# Altium PCB PROC010B_ASCII.PcbDoc (part 5 of 6)
Units mil, origin at the board's own origin, x right, y up, seen from the top; angles counter-clockwise.
Board outline 3180 x 2565 mil, 6 copper layers (TOP, L2, L3, L4, L5, BOTTOM), stack 55.54 mil thick; 362 components, 264 nets, 1248 pads, 1144 vias.
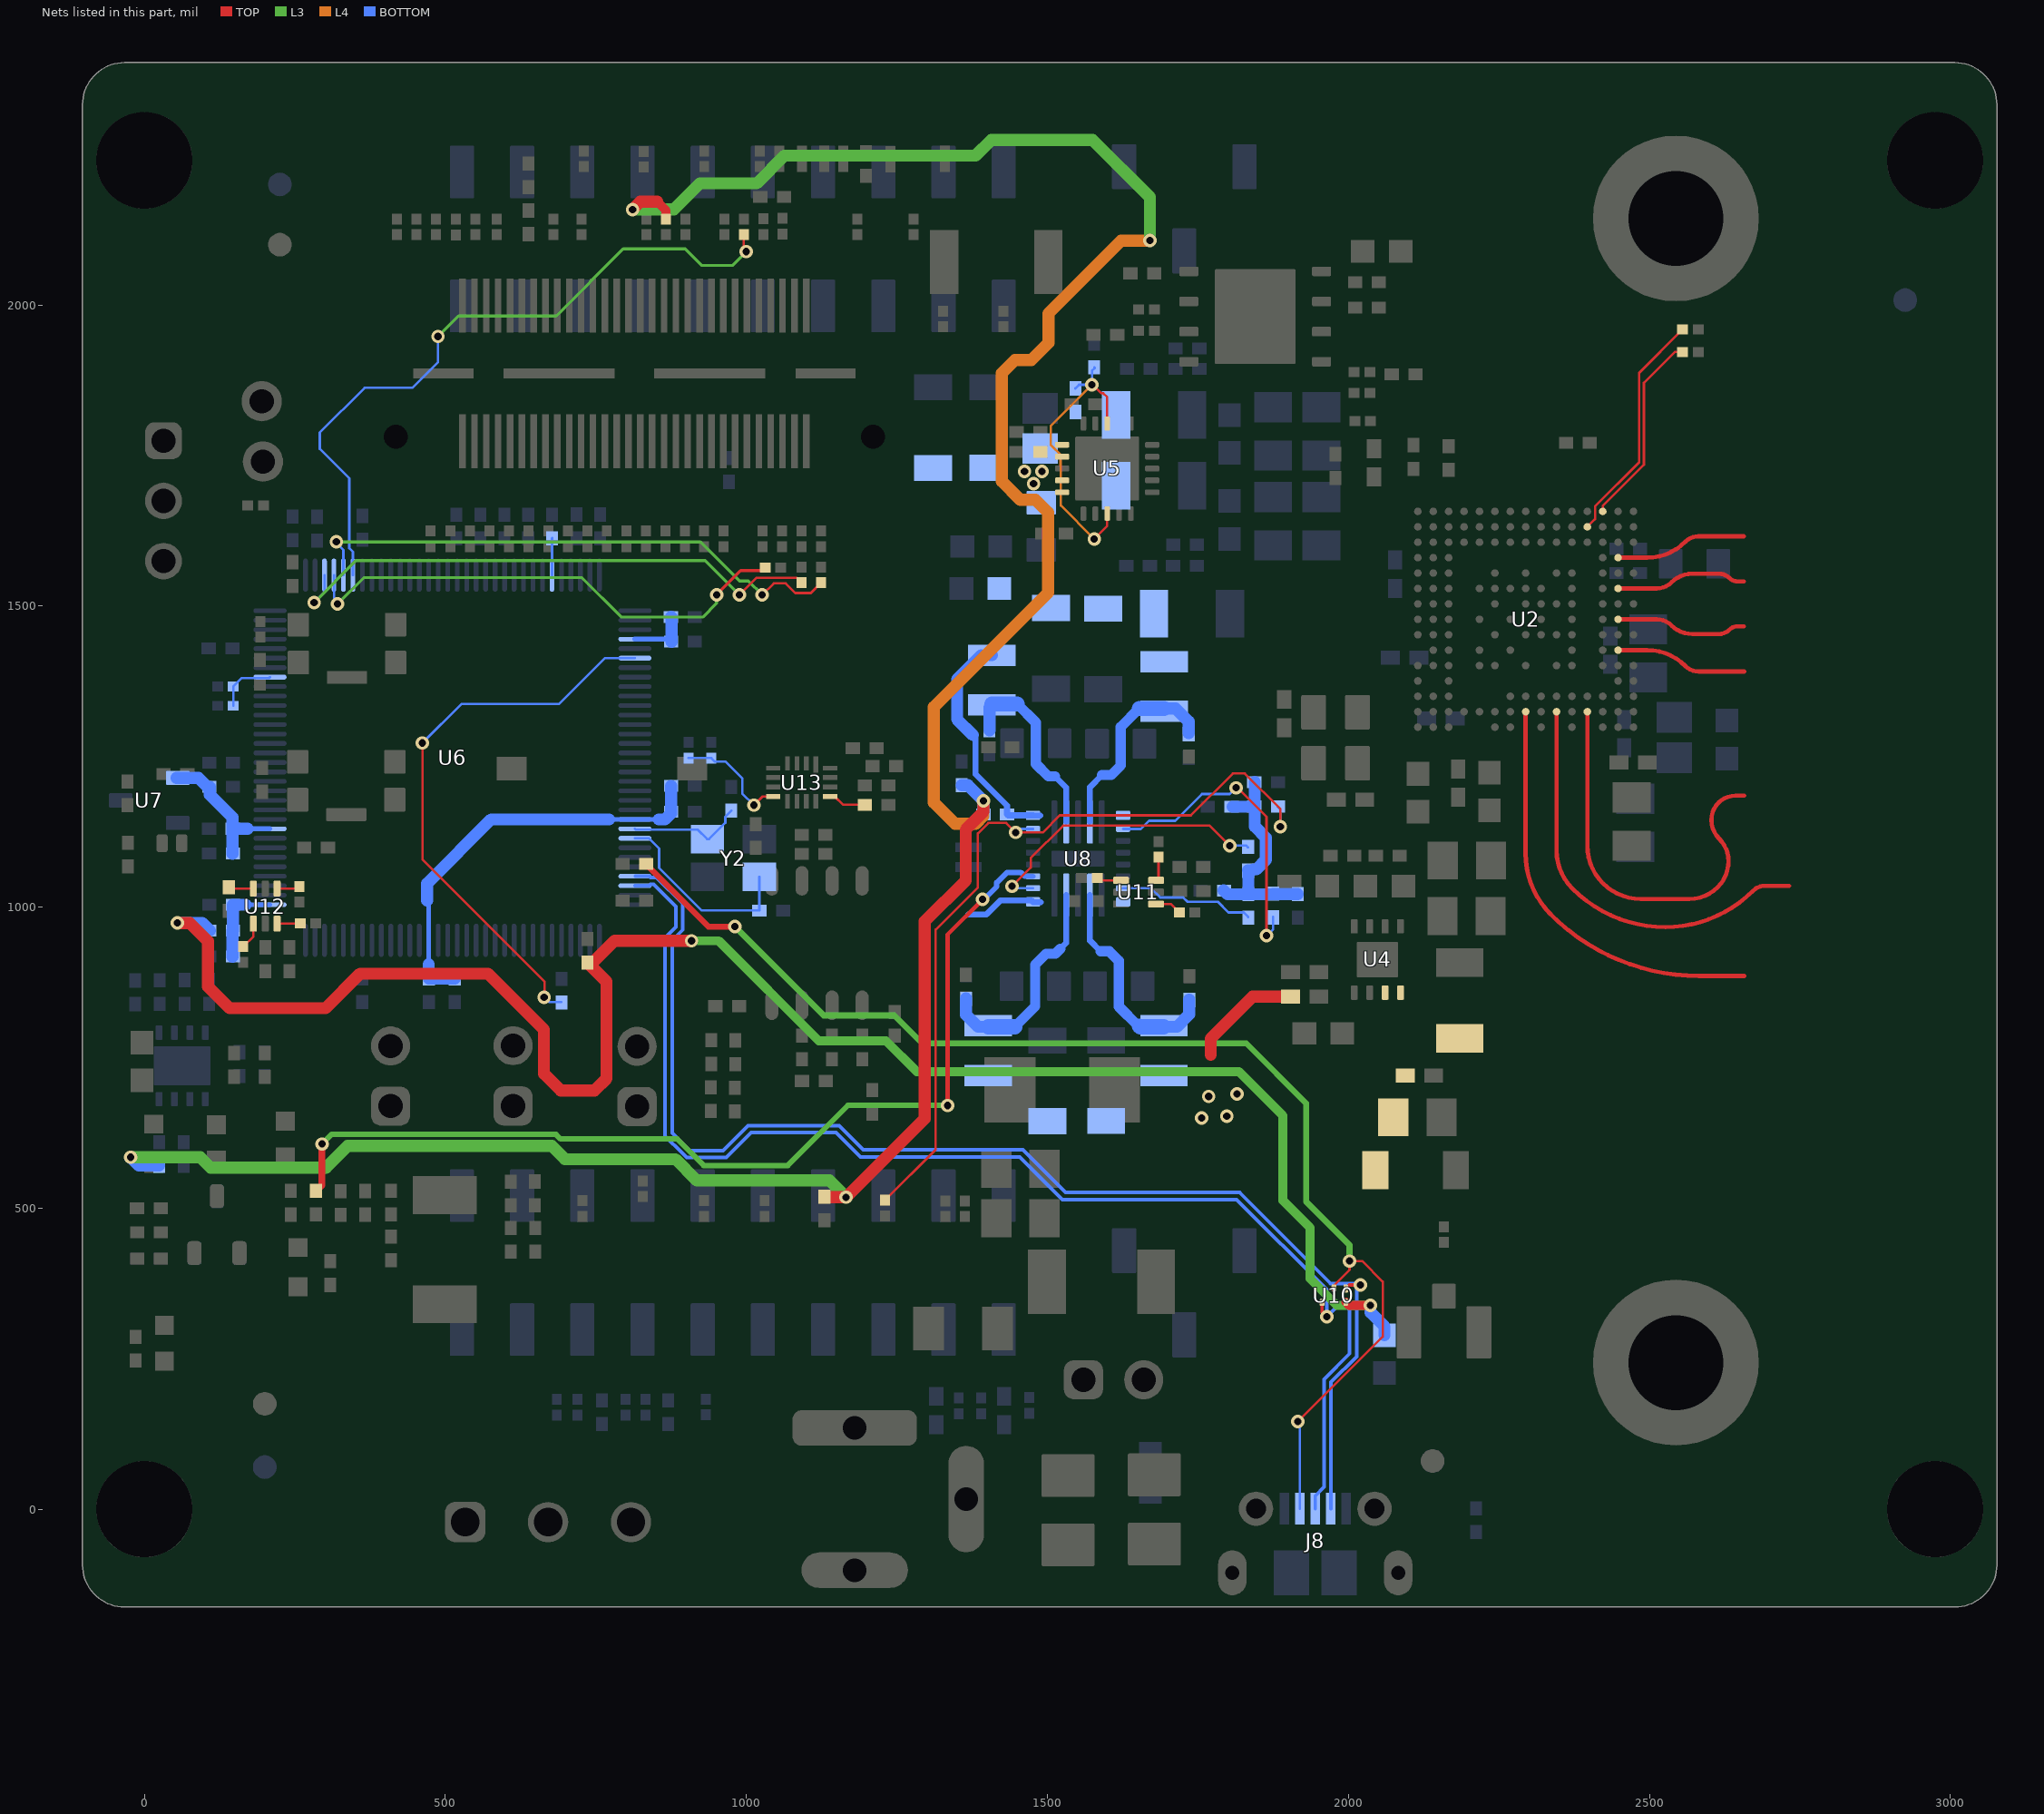
[diagram p9: the nets of this part, all layers, seen from the top]

## Via types
v1: diameter 22.4, hole 12.2, TOP to BOTTOM, tented both sides, 621 vias
v2: diameter 15.74, hole 5.9, TOP to L2, tented top, 508 vias
v3: diameter 19.68, hole 7.87, TOP to BOTTOM, tented top, 7 vias
v4: diameter 19.68, hole 7.87, TOP to BOTTOM, 4 vias
v5: diameter 19.68, hole 7.87, TOP to BOTTOM, tented both sides, 3 vias
v6: diameter 19.68, hole 7.87, TOP to BOTTOM, tented bottom, 1 vias

## Nets (pads, with @x,y where several pads share a name; then routed paths per layer and width w, separated by ;. In a path a pad name is that pad's centre, name@x,y a point inside that pad or via, vN(x,y) a via of type N, cw(c..) or ccw(c..) an arc to the next point about the centre after c; other vN are vias at no path point) (continued)
NetR180_2: R180.2 U11.1 | length 41.2
  TOP w4: R180.2@1582.77,1048.33 1586.66,1044.44 U11.1@1622.33,1044.44
NetR181_1: R181.1 U11.4 | length 44.4
  TOP w4: U11.4@1680.59,1005.07 1705.34,1005.06 R181.1@1719.23,991.17
NetR182_1: R182.1 U11.6 | length 40
  TOP w4: U11.6@1680.59,1044.44 1684.67,1048.52 R182.1@1684.67,1082.79
NetR184_1: R184.1 U12.3 | length 41.4
  TOP w4: R184.1@140.38,1032.25 141.96,1030.67 U12.3@181.13,1030.67
NetR185_2: R185.2 U12.1 | length 38.8
  TOP w4: U12.1@220.5,1030.67 254.29,1030.67 R185.2@257.83,1034.21
NetR186_1: R186.1 U12.6 | length 38.7
  TOP w4: U12.6@220.5,972.4 257.87,972.41 R186.1@258.79,973.33
NetR188_2: R188.2 U12.4 | length 45.4
  TOP w4: R188.2@163.83,934.21 181.12,951.5 U12.4@181.13,972.4
NetR194_2: R194.2 U6.59 | length 61.9
  BOTTOM w4: U6.59@677.14,1551.19 677.14,1612.57 R194.2@677.52,1612.95
NetR195_1: R195.1 U13.13 | length 63.2
  TOP w4: U13.13@1139.1,1183.59 1146.9,1183.59 1160.68,1169.81 R195.1@1196.58,1169.81
NetR197_2: R197.2 U2.P4 | length 393.5
  TOP w4: U2.P4@2396.91,1631.44 2409.75,1644.28 2409.75,1665.25 2483,1738.5 2483,1887.2 2555.01,1959.21 R197.2@2555.01,1959
NetR198_2: R198.2 U2.R3 | length 327.3
  TOP w4: U2.R3@2422.5,1657.03 2422.5,1666 2491,1734.5 2491,1870.64 2542.36,1922 R198.2@2555.01,1922
PGOOD: R27.1 R107.2 R138.2 R141.2 R159.1 | length 4589.2
  TOP w15: 852.15,2171.36 866.61,2156.9 R27.1@866.61,2142.71
  TOP w20: v1(811,2158.5) 823.86,2171.36 852.15,2171.36 ; R107.2@1129.75,518.18 v1(1165.78,518.18) 1296.38,648.78 1296.38,976.2 1364.54,1044.36 1364.54,1129.13 1393.72,1158.31 v1(1393.72,1176.67)
  L3 w20: v1(-23,584.5) 93.04,584.5 110.2,567.34 301.89,567.34 337.84,603.3 676.71,603.3 698.74,581.28 882.26,581.28 917.54,546 1137.96,546 v1(1165.78,518.18) ; v1(811,2158.5) 879.46,2158.5 922.83,2201.86 1017.13,2201.86 1063.27,2248 1381,2248 1407,2274 1575.14,2274 1670.34,2178.8 v1(1670.34,2106.77)
  L4 w20: v1(1393.72,1176.67) 1393.72,1150.96 1381.05,1138.3 1346.64,1138.3 1311.35,1173.59 1311.35,1332.35 1501.24,1522.24 1501.24,1655.5 1480.29,1676.45 1454.85,1676.45 1424.36,1706.93 1424.36,1886.63 1446.28,1908.55 1473.25,1908.55 1501.76,1937.06 1501.76,1985.85 1622.68,2106.77 v1(1670.34,2106.77)
  BOTTOM w20: v1(-23,584.5) -9.31,570.81 R159.1@24.43,570.81 ; R138.2@1357.78,1202.28 1368.11,1202.28 v1(1393.72,1176.67) R141.2@1393.72,1154.01
PMIC_1V0: C30.2 C31.2 C32.2 C40.2 C81.2 L4.2 L5.1 L8.1 R46.1 R120.2 U5.1 U5.2 U5.4 U5.5 U8.1 | length 130.9
  BOTTOM w10: 1368.72,987.88 1398.93,987.88 1422.37,1011.32 1473.53,1011.32 U8.1@1476.2,1008.65 ; U8.1@1476.2,1007.88 1488.82,1007.88
  other v1: 1477.07,1703.31 1461.98,1723.32 1491.25,1723.21
PMIC_1V2: C54.2 L1.2 L9.1 U8.14
PMIC_1V8: C21.1 C23.1 C25.1 C82.2 L3.2 L7.1 R84.2 U4.7 U4.8 U8.21 | length 188.3
  TOP w20: 1771.28,754.5 1771.28,781.5 1841,851.22 R84.2@1903.73,851.22
  other v1: 1756,649.5 1798,652.5 1768,685.5 1815,689.5
PMIC_CLK: R97.2 U8.3 | length 1666.1
  TOP w7.08: v1(1334.3,670.49) 1334.3,954.63 v1(1392.53,1012.86)
  TOP w11: R97.2@285,528.05 295,538.05 v1(295,606.5)
  L3 w9: v1(295,606.5) 310.78,622.28 683.9,622.28 691.42,614.75 885.25,614.75 929.05,570.95 1068.95,570.95 1168.49,670.49 v1(1334.3,670.49)
  BOTTOM w9: v1(1392.53,1012.86) 1394.86,1012.86 1416,1034 1416,1040.48 1433.11,1057.59 1455.85,1057.59 1462.47,1050.97 U8.3@1476.2,1050.97
PMIC_EN1: R102.2 R142.1 U8.7 | length 1350.2
  TOP w4: R102.2@1230.25,513.27 1314.37,597.39 1314.37,962.49 1384.59,1032.71 1384.59,1122.31 1401.99,1139.71 1431.79,1139.71 v1(1447.5,1124) 1492.41,1124 1520.75,1152.33 1738.33,1152.33 1808,1222 1828,1222 1887,1163 v1(1887,1133.5)
  BOTTOM w4: v1(1447.5,1124) 1453.21,1129.71 U8.7@1476.2,1129.71 ; R142.1@1882.25,1167.04 1887,1162.29 v1(1887,1133.5)
PMIC_EN2: R148.1 U8.15 | length 520.5
  TOP w4: v1(1813.65,1198) 1816,1198 1864,1150 v1(1864,952.5)
  BOTTOM w4: U8.15@1625.81,1129.71 1655.21,1129.71 1668.82,1143.32 1712.32,1143.32 1756.81,1187.81 1802.78,1187.81 1813.65,1198.69 v1(1813.65,1198) ; v1(1864,952.5) 1875,963.5 R148.1@1875,983.6
PMIC_EN3: R145.1 U8.2 | length 494.2
  TOP w4: v1(1441.5,1034.5) 1472.48,1065.48 1472.48,1081.57 1526.25,1135.33 1769.67,1135.33 v1(1803,1102)
  BOTTOM w4: v1(1441.5,1034.5) 1444.71,1031.29 U8.2@1476.2,1031.28 ; v1(1803,1102) 1830.49,1102 R145.1@1833.44,1099.05
PMIC_NRST: R150.2 U8.20 | length 227.8
  BOTTOM w4: U8.20@1625.81,1031.28 1672.21,1031.29 1687.5,1016 1725.5,1016 1732.5,1009 1782.99,1009 1800.99,991 1825.99,991 R150.2@1833.74,983.25
PMICOUT_3V3: C55.2 L2.2 R133.1 R141.1 U8.8 | length 388.9
  BOTTOM w10: 1376.47,1285.53 1380.65,1281.35 1380.65,1220.85 1433.09,1168.41 R141.1@1433.09,1154.01 1434.74,1152.35 U8.8@1476.2,1152.35 ; U8.8@1476.2,1152.15 1488.2,1152.15
  BOTTOM w20: 1376.47,1285.53 1350,1312 1350,1378.33 1389.91,1418.24 L2.2@1407.85,1418.24
PMICVIO_3V3: R139.2 R142.2 R143.2 R145.2 R147.2 R148.2 R149.1 R150.1 | length 376.5
  BOTTOM w20: R147.2@1792.9,1027.5 1799.35,1021.05 R150.1@1833.74,1021.05 ; R143.2@1807.91,1166.5 R142.2@1844.45,1167.04 ; R139.2@1844.45,1207.54 R142.2@1844.45,1167.04 ; R149.1@1916.14,1021.05 1915.79,1021.4 1875,1021.4 1874.65,1021.05 R150.1@1833.74,1021.05 ; R150.1@1833.74,1021.05 1833.74,1060.95 1833.44,1061.25 1840.75,1061.25 1842,1062.5 1847,1062.5 1863,1078.5 1863,1115 1844.45,1133.55 R142.2@1844.45,1167.04
RX1: U2.M2 | length 218.6
  TOP w7.08: U2.M2@2448.09,1580.26 2496.4,1580.26 ccw(c2496.4,1669.28) 2559.79,1606.78 cw(c2581.07,1585.5) 2581.07,1615.6 2657.22,1615.6
RX2: U2.K2 | length 218.8
  TOP w7.08: U2.K2@2448.09,1529.08 2512.28,1529.08 ccw(c2512.28,1563.6) 2536.69,1539.19 cw(c2571.24,1504.66) 2571.24,1553.5 2615.82,1553.5 cw(c2615.82,1528.95) 2633.18,1546.31 ccw(c2646.47,1559.58) 2646.47,1540.8 2656.92,1540.8
RX3: U2.H2 | length 218.8
  TOP w7.08: U2.H2@2448.09,1477.9 2512.28,1477.9 cw(c2512.28,1443.38) 2536.69,1467.79 ccw(c2571.24,1502.32) 2571.24,1453.48 2615.82,1453.48 ccw(c2615.82,1478.03) 2633.18,1460.67 ; 2633.19,1460.68 cw(c2646.47,1447.4) 2646.47,1466.18 2656.92,1466.18
RX4: U2.F2 | length 218.9
  TOP w7.08: U2.F2@2448.09,1426.72 2496.4,1426.72 cw(c2496.4,1337.7) 2559.79,1400.2 ccw(c2581.5,1421.91) 2581.5,1391.2 2657.4,1391.2
SPICLK1: R75.1 R76.1 U13.8 | length 193.5
  TOP w4: v1(1012.58,1169.33) 1026.83,1183.59 U13.8@1044.61,1183.59
  BOTTOM w4: R75.1@904.07,1247.48 R76.1@941.93,1247.48 947.94,1241.48 965.54,1241.48 993.15,1213.86 993.15,1188.75 v1(1012.58,1169.33)
SS_CTRL: R119.2 R120.1 U5.8 U5.18 | length 504.4
  TOP w4: v1(1574.07,1867.4) 1575.74,1867.4 1589.91,1853.24 1592.9,1853.24 1599.35,1846.8 U5.18@1599.35,1803.12 ; v1(1577.96,1611.47) 1599.35,1632.86 U5.8@1599.35,1653.52
  L4 w4: v1(1574.07,1867.4) 1505.5,1798.83 1505.5,1767.57 1521.82,1751.25 1521.82,1731.91 1522.36,1731.91 1522.36,1667.08 v1(1577.96,1611.47)
  BOTTOM w4: R120.1@1546.63,1861.48 1552.56,1867.4 v1(1574.07,1867.4) 1574.07,1890.75 1578.87,1895.55 R119.2@1577.96,1896.45
SW0: L2.1 R190.2 U8.10 | length 322.3
  BOTTOM w10: 1512.51,1217 1531.31,1198.2 U8.10@1531.32,1141.13
  BOTTOM w17: 1449.82,1337.53 1480.85,1306.5 1480.85,1237.8 1501.65,1217 1512.51,1217
  BOTTOM w20: R190.2@1403.85,1293.43 1403.85,1331.56 L2.1@1407.85,1335.56
  BOTTOM w25: L2.1@1407.85,1337.53 1449.82,1337.53
SW1: L1.1 R191.2 U8.12 | length 342.4
  BOTTOM w10: U8.12@1570.69,1141.13 1570.69,1199.24 1590.95,1219.5
  BOTTOM w17: 1590.95,1219.5 1606.05,1219.5 1621.95,1235.4 1621.95,1299.23 1652.68,1329.96
  BOTTOM w20: L1.1@1694.05,1329.96 1713.07,1329.96 1734.8,1308.23 R191.2@1734.8,1288.55
  BOTTOM w25: 1652.68,1329.96 L1.1@1694.05,1329.96
SW2: L4.1 R192.2 U8.25 | length 379.6
  BOTTOM w10: 1521.55,930.8 1531.31,940.56 U8.25@1531.32,1019.87
  BOTTOM w17: 1445.92,801.17 1479.85,835.1 1479.85,904.34 1498.01,922.5 1513.25,922.5 1521.55,930.8
  BOTTOM w20: R192.2@1364.9,848.45 1364.9,821.17 1384.9,801.17 L4.1@1401.55,801.17
  BOTTOM w25: L4.1@1401.55,801.17 1445.92,801.17
SW3: L3.1 R193.2 U8.23 | length 377.5
  BOTTOM w10: U8.23@1570.69,1019.87 1570.69,944.32 1588.51,926.5
  BOTTOM w17: 1588.51,926.5 1602.85,926.5 1618.65,910.7 1618.65,834.7 1650.84,802.51 1652.68,802.51
  BOTTOM w20: L3.1@1693.55,801.17 1714.99,801.17 1735.6,821.78 R193.2@1735.6,846.45
  BOTTOM w25: 1652.68,802.51 1654.02,801.17 L3.1@1693.55,801.17
TX1: U2.B4 | length 696.2
  TOP w7.08: U2.B4@2396.91,1324.36 2396.91,1102.05 ccw(c2485.46,1102.05) 2485.46,1013.5 2566.65,1013.5 ccw(c2566.65,1079.79) 2613.53,1032.92 ; 2613.54,1032.93 ccw(c2570.24,1076.22) 2631.47,1076.22 ccw(c2578.8,1076.22) 2616.05,1113.46 cw(c2647.37,1144.78) 2603.07,1144.78 cw(c2643.55,1144.8) 2614.93,1173.43 cw(c2642.62,1145.76) 2642.61,1184.9 2657.3,1184.9
TX2: U2.B6 | length 696.2
  TOP w7.08: U2.B6@2345.73,1324.36 2345.73,1094.33 ccw(c2435.71,1094.33) 2372.08,1030.71 ccw(c2526.5,1185.06) 2526.5,966.73 ccw(c2526.5,1172.53) 2672,1026.99 cw(c2692.07,1006.94) 2692.06,1035.3 2732.11,1035.3
TX3: U2.B8 | length 696.3
  TOP w7.08: U2.B8@2294.55,1324.36 2294.34,1324.15 2294.34,1089.06 ccw(c2437.96,1089.06) 2336.4,987.51 ccw(c2582.22,1233.3) 2582.22,885.68 2657.3,885.68
VBUS_1_DETECT: C69.2 R151.1 R153.2 U6.1 | length 147.8
  BOTTOM w8: 168.55,1003.95 U6.1@208.64,1003.95
  BOTTOM w20: R153.2@146.55,917.74 146.55,961.04 146.95,961.44 146.95,1003.56 147.34,1003.95 168.55,1003.95
VDDC_1: C62.2 C64.2 C74.2 C75.2 U6.87 U6.115 | length 701
  BOTTOM w8: 469.65,1010.85 472.42,1008.08 472.42,905.08 ; 771.82,1145.68 854.18,1145.68
  BOTTOM w20: 469.65,1010.85 469.65,1039.15 576.18,1145.68 771.82,1145.68 ; 472.42,905.08 472.42,881.71 472.68,881.45 C74.2@515.6,881.45 ; 854.18,1145.68 865,1145.68 874.96,1155.64 C64.2@874.96,1158.3 C62.2@874.96,1201.2
XDSET_1_D_N: J8.2 U6.93 U10.1 | length 2188.8
  TOP w6: U10.1@1995.68,366.33 2001.88,372.52 v1(2019.99,372.52)
  BOTTOM w6: U6.93@815.54,1051.19 838.99,1051.19 840.8,1049.38 850.87,1049.38 894.6,1005.65 894.6,962.25 876.6,944.24 876.6,624.75 905.6,595.75 905.6,595.5 961.6,595.5 1003.1,637 1153.9,637 1194.2,596.7 1459.1,596.7 1529.89,525.91 1819.18,525.91 1970.6,374.5 2019.6,374.5 2020.6,373.5 2013.6,366.5 2013.6,335.81 2013.6,253.5 1971.19,211.09 1971.19,32.06 J8.2@1971.19,0.88
XDSET_1_D_P: J8.3 U6.94 U10.4 | length 2188.5
  TOP w6: U10.4@1956.31,343.69 1956.31,327.19 v1(1964,319.5)
  BOTTOM w6: U6.94@814.94,1035.44 838.69,1035.44 841.03,1037.78 846.07,1037.78 883,1000.85 883,967.05 865,949.05 865,619.94 894,590.94 894,590.7 900.79,583.9 966.4,583.9 1007.9,625.4 1149.1,625.4 1189.4,585.1 1454.3,585.1 1525.09,514.31 1814.38,514.31 1964,364.69 v1(1964,319.5) 1984.5,340 1993,340 2002,331 2002,258.31 1959.59,215.9 1959.59,36.86 1945,22.27 J8.3@1945,0.88
XDSET_1_ID: J8.4 R152.2 U10.2 | length 2115.1
  TOP w4: v1(1916,145.5) 2057.04,286.54 2057.04,377.81 2022.74,412.11 v1(2001.89,412.11) 2001.89,397.39 1976,371.5 U10.2@1976,367.31
  TOP w10: R152.2@832.9,1071.5 936.9,967.5 v1(981,967.5)
  L3 w10: v1(981,967.5) 1128.41,820.09 1245.8,820.09 1292.12,773.77 1830.37,773.77 1929.79,674.35 1929.79,510.85 2001.89,438.76 v1(2001.89,412.11)
  BOTTOM w4: v1(1916,145.5) 1919.41,142.09 J8.4@1919.41,0.88
XDSET_1_VBUS: R151.2 R154.2 R161.2 U10.6 | length 3036.4
  TOP w15: U10.6@1995.68,343.69 2000.79,338.59 v1(2036.61,338.59)
  TOP w20: v1(55,973.5) 75.54,973.5 105.77,943.27 105.77,867.8 141.57,832 301,832 358.51,889.51 570.49,889.51 663.79,796.21 663.79,722.96 691.59,695.16 747.69,695.16 767.67,715.14 767.67,876.15 R154.2@736,907.81 744.88,907.81 781.07,944 v1(909,944)
  L3 w15: v1(909,944) 954.04,944 1120.15,777.89 1231.87,777.89 1282.88,726.87 1818.03,726.87 1891.09,653.81 1891.09,512.9 1936.34,467.65 1936.34,383.2 1980.95,338.59 v1(2036.61,338.59)
  BOTTOM w20: v1(55,973.5) 96.29,973.5 R151.2@108.75,961.04 ; v1(2036.61,338.59) 2036.61,326.66 2060,303.26 R161.2@2060,289
XDSET_LOGGER: R135.2 R136.2 U6.25 | length 99.3
  BOTTOM w4: R136.2@147.77,1334.29 R135.2@147.77,1366.19 162.08,1380.5 207.24,1380.5 U6.25@208.64,1381.9
XDSET_NRST: R155.1 U6.70 | length 951
  TOP w4: v1(462,1272.5) 462,1079.01 665,876.01 665,850 v1(664,850)
  BOTTOM w4: v1(462,1272.5) 527,1337.5 689.05,1337.5 765.05,1413.5 814.83,1413.5 U6.70@814.94,1413.39 ; v1(664,850) 665,850 672.75,842.25 R155.1@692.78,842.25
XDSET_OSC0: C70.2 U6.88 Y2.1 | length 192.6
  BOTTOM w4: U6.88@814.94,1129.93 816.37,1128.5 919.49,1128.5 Y2.1@935,1112.99 937.99,1112.99 965,1140 965,1150.16 C70.2@975,1160.16
XDSET_OSC1: C63.2 U6.89 Y2.3 | length 330.9
  BOTTOM w4: U6.89@814.94,1114.18 838.17,1114.18 855,1097.35 855,1065 925.64,994.36 C63.2@1021.61,994.36 Y2.3@1021.61,1050
XDSET_TCK: R70.2 U6.35 | length 929.6
  TOP w4: v1(988.42,1518.55) 1016.78,1546.91 1083.15,1546.91 R70.2@1091.33,1538.73
  L3 w5: v1(282,1505.5) 351.71,1575.21 931.76,1575.21 v1(988.42,1518.55)
  BOTTOM w4: v1(282,1505.5) 299.19,1522.69 U6.35@299.19,1551.19
XDSET_TDI: R30.2 U6.38 | length 1170.3
  TOP w4: R30.2@995.75,2116.73 995.75,2093.75 1000,2089.5 v1(1000,2088.5)
  L3 w5: v1(487.75,1947.66) 521.88,1981.78 684.05,1981.78 795.46,2093.2 898.29,2093.2 926.04,2065.45 976.95,2065.45 v1(1000,2088.5)
  BOTTOM w4: U6.38@346.44,1551.19 346.44,1590.07 340.54,1595.97 340.54,1711.96 291.56,1760.94 291.56,1788.05 365.97,1862.46 444.96,1862.46 487.75,1905.25 v1(487.75,1947.66)
XDSET_TDO: R71.2 U6.37 | length 923.6
  TOP w4: v1(1026.32,1518.55) 1045.4,1537.64 1065.2,1537.64 1081.32,1521.51 1107.12,1521.51 R71.2@1124.33,1538.73
  L3 w5: v1(319,1606.5) 923.66,1606.5 988.55,1541.61 1003.26,1541.61 v1(1026.32,1518.55)
  BOTTOM w4: v1(319,1606.5) 319,1604.5 330.69,1592.81 U6.37@330.69,1551.19
XDSET_TMS: R69.2 U6.36 | length 847.8
  TOP w5: v1(950.52,1518.55) 990.59,1558.62 1026.11,1558.62 R69.2@1031.11,1563.62
  L3 w5: v1(321,1503.5) 364.66,1547.16 726.88,1547.16 792.54,1481.5 927.47,1481.5 950.52,1504.55 v1(950.52,1518.55)
  BOTTOM w4: U6.36@314.94,1551.19 314.94,1509.56 v1(321,1503.5)
XDSET_VBAT: C49.2 R134.1 U6.68 | length 104.2
  BOTTOM w8: U6.68@814.94,1444.89 871.46,1444.89 R134.1@875.75,1440.6
  BOTTOM w20: C49.2@875.05,1481.9 875.75,1481.2 R134.1@875.75,1440.6
XDSET_VREFA: C66.2 C67.2 R140.1 U6.9 U7.1 | length 250.2
  BOTTOM w8: 171.57,1129.93 U6.9@208.64,1129.93
  BOTTOM w20: U7.1@53.36,1214.49 89.72,1214.49 104.69,1199.52 108.75,1199.52 108.75,1186.75 146.49,1149.01 C66.2@146.49,1130.1 ; C67.2@146.55,1088.8 146.49,1088.86 C66.2@146.49,1130.1 ; 171.57,1129.93 146.66,1129.93 C66.2@146.49,1130.1
pads on no net: FID1.1 FID2.1 FID3.1 FID4.1 FID5.1 FID6.1 FID7.1 J1.15 J1.17 J1.19 J1.21 J1.23 J1.25 J1.27 J1.29 J1.31 J1.33 J1.35 J1.37 J1.39 J1.41 J1.43 J1.45 J1.47 J1.49 J1.MH1 J1.MH2 J5.3 J5.11 J6.4 J6.7 J6.20 J8.7 J8.8 LBL1.0 SW1.1 SW1.3 SW2.1 SW2.3 U1. U2.B15 U2.D1 U5.9 U5.17 U5.21@1571.99,1700.96 U5.21@1571.99,1755.68 U5.21@1626.71,1700.96 U5.21@1626.71,1755.68 U6.2 U6.3 U6.4 U6.5 U6.6 U6.11 U6.12 U6.13 U6.14 U6.15 U6.18 U6.19 U6.20 U6.21 U6.22 U6.23 U6.24 U6.27 U6.29 U6.30 U6.31 U6.32 U6.41 U6.42 U6.43 U6.44 U6.45 U6.46 U6.49 U6.50 U6.53 U6.54 U6.56 U6.57 U6.65 U6.67 U6.71 U6.72 U6.73 U6.74 U6.75 U6.76 U6.77 U6.78 U6.81 U6.82 U6.83 U6.84 U6.85 U6.86 U6.91 U6.92 U6.97 U6.98 U6.99 U6.100 U6.102 U6.103 U6.104 U6.105 U6.106 U6.107 U6.108 U6.109 U6.110 U6.111 U6.112 U6.116 U6.117 U6.118 U6.119 U6.120 U6.121 U6.123 U6.124 U6.125 U6.126 U6.127 U6.128 U7.3 U8. U9.7 U9.9@38.03,736.32 U9.9@87.64,736.32 U13.9 U13.12

## Polygon pours and split planes (outlines as drawn)
no net on Top Solder (solid, pour order 1226): 1710.23,1993.88 1762.33,1993.88 1762.33,2017.48 1710.23,2017.48 1710.23,1993.88
no net on Top Solder (solid, pour order 1228): 1710.23,2043.88 1762.33,2043.88 1762.33,2067.48 1710.23,2067.48 1710.23,2043.88
no net on Top Solder "Top Solder-No Net" (solid, pour order 1234): 69 vertices, not listed, extent 2260,825.7 3047,1773.5
no net on Top Solder (solid, pour order 1233): 1596,2324.5 1596,2219.5 1974,2219.5 1974,2146.5 2358,2146.5 2358,2324.5 1596,2324.5
no net on Bottom Solder "Bottom Solder-No Net" (solid, pour order 1235): 3068.95,-131.45 2330.5,-131.45 2330.48,-131.48 2318.95,-131.48 2318.95,618.55 3068.95,618.55 3068.95,-131.45
no net on Bottom Solder (solid): 43 vertices, not listed, extent 1991,-132.5 3047,2365
AR_1P3_RF2 on TOP "GND 1-No Net" (solid, remove dead copper, pour order 1254): 1657.89,1682.73 1657.89,1713.42 1663.59,1719.12 1690.73,1719.12 1695.53,1714.32 1695.53,1678.14 1689.72,1672.34 1668.28,1672.34
AR_1P3_RF1 on TOP "GND 1-No Net" (solid, remove dead copper, pour order 1252): 1785.39,1652.08 1833.48,1700.17 1833.48,1791.4 1790.17,1834.71 1716.34,1834.71 1658.82,1777.19 1658.82,1744.08 1664.23,1738.67 1689.96,1738.67 1706.01,1722.61 1706.01,1632.47 1727,1611.48 1744.79,1611.48
PMIC_1V0 on TOP "GND 1-No Net" (solid, remove dead copper, pour order 1250): 1450.36,1705.57 1479.75,1676.17 1534.9,1676.18 1542.33,1683.6 1542.33,1768.21 1535.03,1775.51 1478.9,1775.51 1450.36,1746.97
GND on TOP "TOP-GND 1" (solid, remove dead copper, pour order 1179): 2395.5,94 2694.5,94 2694.5,396 2395.5,396 2395.5,94
GND on TOP "TOP-GND 12" (solid, remove dead copper, pour order 1172): 32 vertices, not listed, extent 1348,789 1754,923
GND on TOP "TOP-GND 11" (solid, remove dead copper, pour order 1170): 18 vertices, not listed, extent 1429,1204 1749.46,1305.1
GND on TOP "TOP-GND 10" (solid, remove dead copper, pour order 1145): 1644.54,995.52 1644.54,1019.98 1622,1019.98 1622,1029.52 1644.54,1029.52 1644.54,1057 1658.38,1057 1658.38,1039.67 1658.37,1039.67 1658.37,995.52 1644.54,995.52
GND on TOP "TOP-GND 7" (solid, remove dead copper, pour order 1180): 1414,86.5 1414,48.5 1486,-23.5 1724,-23.5 1726,-25.5 1726,-89.5 1692,-123.5 1116,-123.5 1091,-98.5 1091,14.5 1108,31.5 1270,31.5 1347.48,108.98 1391.52,108.98
GND on TOP "TOP-GND 4" (solid, remove dead copper, pour order 1162): 34 vertices, not listed, extent 2653.04,1286.86 2946.35,1345.92
GND on TOP "TOP-GND 3" (solid, remove dead copper, pour order 1163): 34 vertices, not listed, extent 2653.04,1660.87 2946.35,1719.93
RX1 on TOP "TOP-RX1" (solid, remove dead copper, pour order 1161): 34 vertices, not listed, extent 2653.04,1586.07 2946.35,1645.13
RX2 on TOP "TOP-RX2" (solid, remove dead copper, pour order 1155): 34 vertices, not listed, extent 2653.04,1511.27 2946.35,1570.32
RX3 on TOP "TOP-RX3" (solid, remove dead copper, pour order 1158): 34 vertices, not listed, extent 2653.04,1436.47 2946.35,1495.52
RX4 on TOP "TOP-RX4" (solid, remove dead copper, pour order 1159): 34 vertices, not listed, extent 2653.04,1361.66 2946.35,1420.72
TX1 on TOP "TOP-TX1" (solid, remove dead copper, pour order 1160): 34 vertices, not listed, extent 2653.04,1155.37 2946.35,1214.43
TX2 on TOP "TOP-TX2" (solid, remove dead copper, pour order 1156): 34 vertices, not listed, extent 2727.85,1005.77 3021.15,1064.82
TX3 on TOP "TOP-TX3" (solid, remove dead copper, pour order 1157): 34 vertices, not listed, extent 2653.04,856.16 2946.35,915.21
5V_IN on TOP "TOP-5V_IN 2" (solid, remove dead copper, pour order 1173): 1465,231 1465,600.33 1533.41,600.33 1533.41,352.09 1580,305.5 1603,282.5 1603,173.5 1602.5,173 1523,173
5V_IN on TOP "TOP-5V_IN 1" (solid, remove dead copper, pour order 1174): 409,328.5 438,357.5 647,357.5 667,337.5 667,187.5 653,173.5 430,173.5 409,194.5 409,328.5
5V_IN on TOP "TOP-5V_IN" (solid, remove dead copper, pour order 1169): 1617,2184 1598.5,2202.5 1512.78,2202.5 1469.96,2159.68 1469.96,2025.46 1486.92,2008.5 1545.11,2008.5 1617,2080.38
AR_1V8 on TOP "TOP-AR_1V8" (solid, remove dead copper, pour order 1168): 22 vertices, not listed, extent 2054,880 2230,1123